# Altium PCB 电机驱动部分参考布局.PcbDoc (part 2 of 2)
Units mm, origin at the board's own origin, x right, y up, seen from the top; angles counter-clockwise.
Board outline 65.25 x 196.25 mm, 2 copper layers (Top Layer, Bottom Layer), stack 0.325 mm thick; 229 components, 145 nets, 646 pads, 366 vias.
Unrouted connection lines stored in the file: 1.
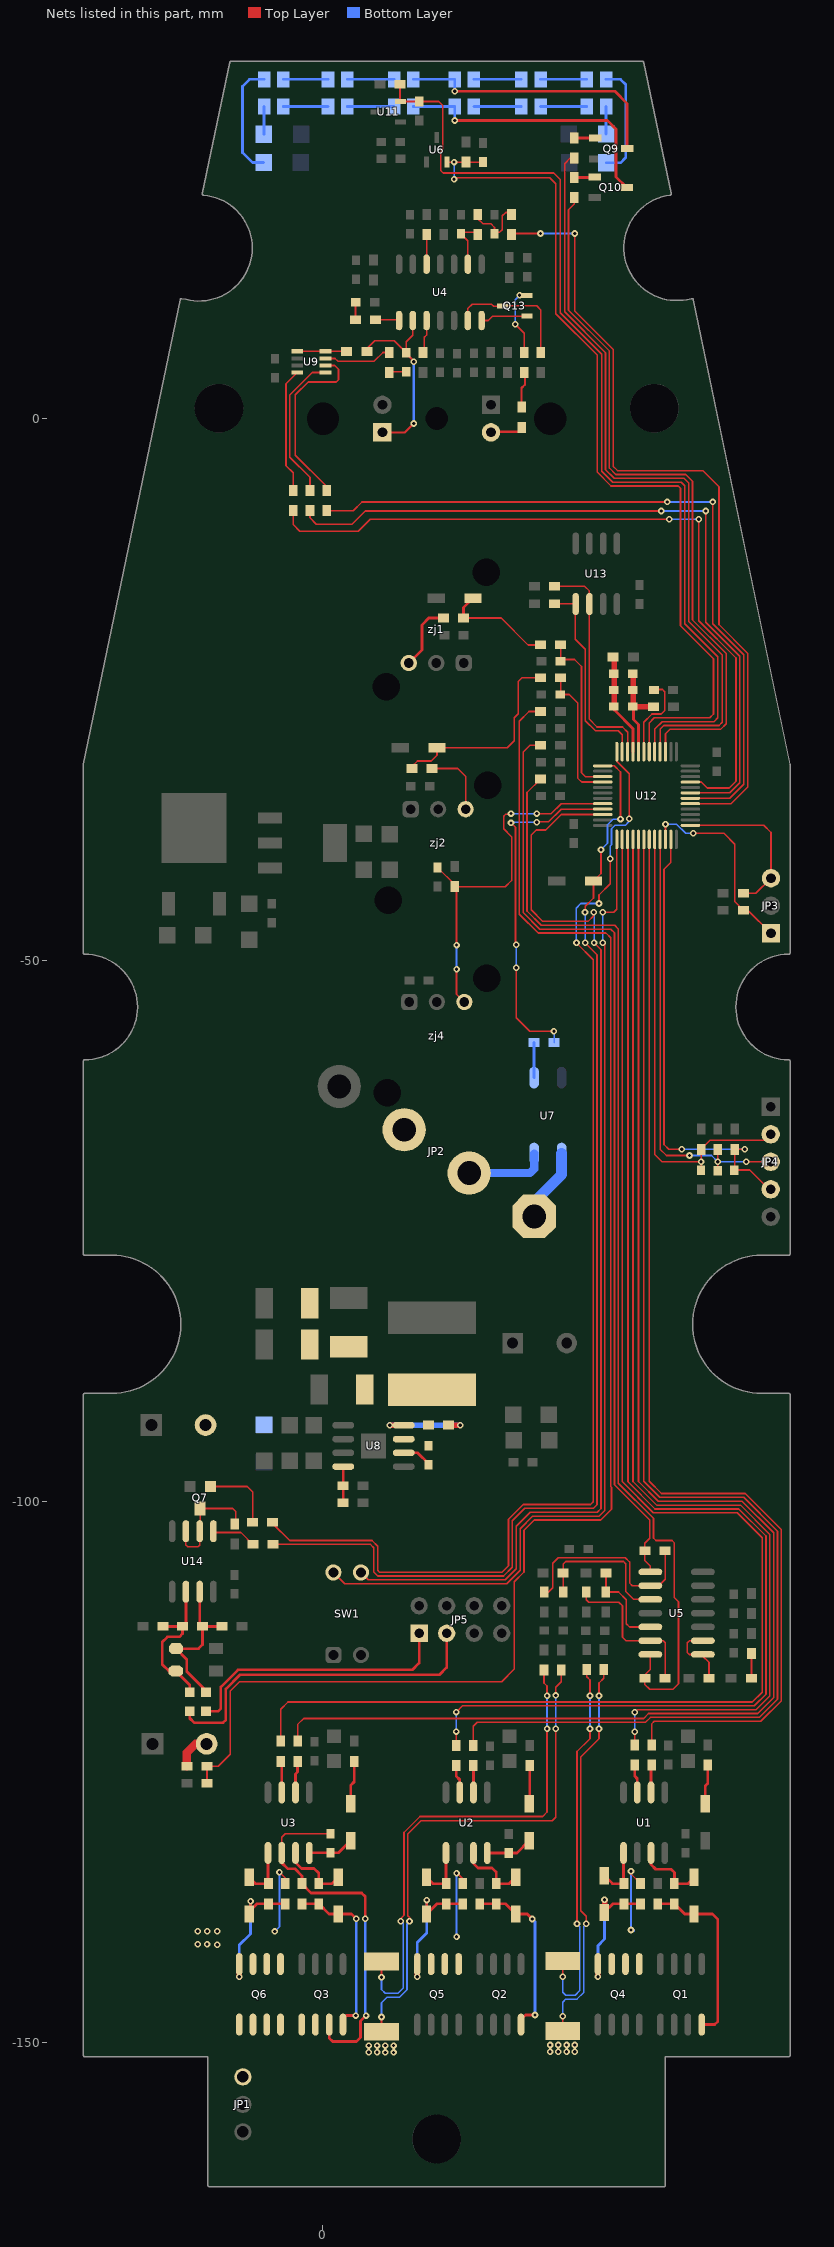
[diagram p2: the nets of this part, all layers, seen from the top]

## Via types
v1: diameter 0.61, hole 0.305, Top Layer to Bottom Layer, 366 vias

## Nets (pads, with @x,y where several pads share a name; then routed paths per layer and width w, separated by ;. In a path a pad name is that pad's centre, name@x,y a point inside that pad or via, vN(x,y) a via of type N, cw(c..) or ccw(c..) an arc to the next point about the centre after c; other vN are vias at no path point) (continued)
NetC24_2: C24.2 D23.2 U2.8 | length 4.3
  Top Layer w0.254: U2.8@15.165,-132.453 17.904,-132.453 D23.2@19.04,-131.317
NetC25_1: C25.1 JP1.1 Q3.1 Q3.2 Q3.3 Q6.5 Q6.6 Q6.7 Q6.8 R12.1 U3.6 | length 34.1
  Top Layer w0.152: U3.6@-3.808,-132.453 -3.808,-131.002 -3.49,-130.683 C25.1@0.701,-130.683
  Top Layer w0.254: U3.6@-3.808,-132.453 -3.808,-133.362 -3.261,-133.909 -2.612,-133.909 -1.94,-134.581 R12.1@-1.94,-135.293 -1.089,-136.144 3.572,-136.144 3.902,-136.475 v1(3.902,-138.532) ; Q3.3@0.573,-148.303 0.573,-149.529 0.905,-149.86 3.089,-149.86 3.47,-149.479 3.47,-147.981 v1(3.978,-147.473)
  Bottom Layer w0.254: v1(3.902,-138.532) 3.902,-147.473 v1(3.978,-147.473)
NetC25_2: C25.2 D32.2 U3.8 | length 4.3
  Top Layer w0.254: U3.8@-1.268,-132.453 -1.251,-132.436 C25.2@0.701,-132.436 1.436,-132.436 D32.2@2.556,-131.317
NetC26_1: C26.1 JP4.2 R38.2 U12.32 | length 42.6
  Top Layer w0.152: U12.32@30.628,-38.862 30.628,-67.951 31.308,-68.631 v1(34.915,-68.631) ; C26.1@34.915,-69.419 v1(34.915,-68.631) ; JP4.2@41.341,-66.091 40.808,-66.625 35.766,-66.625 R38.2@34.915,-67.475 v1(34.915,-68.631)
NetC27_1: C27.1 JP4.3 R39.2 U12.33 | length 41.2
  Top Layer w0.152: U12.33@31.128,-38.862 31.128,-67.461 31.715,-68.047 v1(33.848,-68.047) ; C27.1@36.465,-69.444 v1(36.465,-68.631) R39.2@36.465,-67.501 ; v1(39.081,-68.631) JP4.3@41.341,-68.631
  Bottom Layer w0.152: v1(33.848,-68.047) 35.88,-68.047 v1(36.465,-68.631) v1(39.081,-68.631)
NetC28_1: C28.1 R104.2 | length 1.6
  Top Layer w0.152: R104.2@3.001,9.118 3.001,10.707 C28.1@3.038,10.744
NetC29_1: C29.1 D28.1 R106.1 U4.2 | length 17.9
  Top Layer w0.152: R106.1@4.041,6.197 4.041,6.439 4.791,7.188 6.57,7.188 C29.1@7.686,6.071 7.686,7.086 8.296,7.696 U4.2@8.296,9.058
  Top Layer w0.203: D28.1@5.487,-1.27 7.569,-1.27 v1(8.383,-0.456) ; C29.1@7.686,6.071 7.686,6.008 8.379,5.315 v1(8.379,5.25)
  Bottom Layer w0.203: v1(8.379,5.25) 8.383,5.247 v1(8.383,-0.456)
NetC29_2: C29.2 R108.1 | length 1.6
  Top Layer w0.152: R108.1@6.112,4.254 6.176,4.319 C29.2@7.686,4.319
NetC31_1: C31.1 JP4.4 R40.2 U12.35 | length 43
  Top Layer w0.152: U12.35@32.128,-38.862 32.128,-40.963 31.484,-41.608 31.484,-67.029 31.918,-67.463 v1(33.137,-67.463) ; v1(38.941,-67.475) R40.2@38.014,-67.475 38.014,-69.393 39.411,-69.393 41.189,-71.171 JP4.4@41.341,-71.171
  Bottom Layer w0.152: v1(33.137,-67.463) 38.928,-67.463 v1(38.941,-67.475)
NetC37_2: C37.2 R28.2 R45.1 | length 6.1
  Top Layer w0.152: R45.1@14.29,19.062 R45.1@14.29,18.859 14.29,18.465 14.773,17.983 15.51,17.983 15.84,17.653 C37.2@15.84,17.195 ; C37.2@15.84,17.067 C37.2@15.84,17.195 ; R28.2@17.415,19.037 16.868,19.037 16.551,18.719 16.551,17.449 16.297,17.195 C37.2@15.84,17.195
NetC39_1: C39.1 U8.6 | length 2.8
  Top Layer w0.254: U8.6@7.458,-95.504 8.753,-95.504 9.744,-96.495 C39.1@9.744,-96.597
NetC39_2: C39.2 D8.2 L1.1 R62.2 U8.7
NetC40_2: C40.2 R45.2 U4.9 | length 4.6
  Top Layer w0.152: C40.2@12.741,17.067 13.376,16.432 U4.9@13.376,14.258 ; C40.2@12.741,17.221 14.278,17.221 R45.2@14.29,17.208
NetC57_1: C57.1 U12.7 | length 7.9
  Top Layer w0.152: U12.7@29.628,-30.762 29.628,-28.03 30.384,-27.274 31.239,-27.274 31.55,-26.962 31.55,-25.21 31.359,-25.019 C57.1@30.572,-25.019
NetC69_1: C69.1 R60.2 U12.15 | length 15.6
  Top Layer w0.152: R60.2@21.95,-20.701 21.95,-22.112 22.088,-22.251 23.231,-22.251 23.866,-22.886 23.866,-32.69 24.238,-33.062 U12.15@25.828,-33.062
NetC70_1: C70.1 R32.2 U12.16 | length 12.7
  Top Layer w0.152: R32.2@21.95,-23.927 21.95,-25.262 22.164,-25.477 22.749,-25.477 23.511,-26.239 23.511,-33.183 23.89,-33.562 U12.16@25.828,-33.562
NetC71_1: C71.1 R52.1 U12.20 zj4.3 | length 34.8
  Top Layer w0.152: C71.1@10.582,-41.453 12.182,-43.053 R52.1@12.182,-43.218 ; v1(12.335,-50.851) 12.335,-53.153 zj4.3@13.052,-53.87 ; v1(12.335,-48.616) 12.335,-43.371 R52.1@12.182,-43.218 ; v1(17.364,-36.475) 17.288,-36.551 16.856,-36.551 16.678,-36.729 16.678,-37.872 17.415,-38.608 17.415,-42.647 16.843,-43.218 R52.1@12.182,-43.218 ; v1(19.726,-36.475) 21.077,-36.475 21.99,-35.562 U12.20@25.828,-35.562
  Bottom Layer w0.152: v1(12.335,-50.851) v1(12.335,-48.616) ; v1(17.364,-36.475) v1(19.726,-36.475)
NetC87_1: C87.1 R54.2 U6.2 U12.6 | length 82.3
  Top Layer w0.152: U6.2@11.45,23.687 v1(12.106,23.687) 14.762,23.687 C87.1@14.773,23.698 ; v1(12.106,22.098) 12.106,22.25 20.945,22.25 21.504,21.691 21.504,9.677 25.314,5.867 25.314,-4.937 26.6,-6.223 32.807,-6.223 33.01,-6.427 33.01,-19.126 36.057,-22.173 36.057,-27.281 35.709,-27.629 30.604,-27.629 30.128,-28.104 U12.6@30.128,-30.762
  Bottom Layer w0.152: v1(12.106,22.098) v1(12.106,23.687)
NetC88_1: C88.1 R33.2 U11.2 U12.5 | length 90.9
  Top Layer w0.152: R33.2@7.115,30.861 7.115,29.308 U11.2@7.143,29.28 10.689,29.28 11.065,28.905 11.065,24.892 10.861,24.688 10.861,22.91 11.09,22.682 21.301,22.682 21.91,22.072 21.91,9.773 25.739,5.945 25.739,-4.859 26.748,-5.868 33.086,-5.868 33.417,-6.198 33.417,-18.957 36.464,-22.004 36.464,-27.637 36.115,-27.985 31.315,-27.985 30.628,-28.671 U12.5@30.628,-30.762
NetD1_1: D1.1 Q1.4 R7.2 R10.2 | length 17.2
  Top Layer w0.254: R10.2@30.902,-137.148 R7.2@32.451,-137.148 33.402,-138.098 D1.1@34.255,-138.098 35.955,-138.098 36.465,-138.608 36.465,-148.006 36.168,-148.303 Q1.4@34.966,-148.303
NetD1_2: D1.2 R7.1 U1.7 | length 6.6
  Top Layer w0.254: U1.7@30.292,-132.453 30.292,-133.528 30.724,-133.96 32.147,-133.96 32.451,-134.265 R7.1@32.451,-135.293 33.709,-135.293 34.255,-134.747 D1.2@34.255,-134.698
NetD2_1: D2.1 Q4.4 R15.2 R19.2 | length 13.3
  Top Layer w0.254: D2.1@26,-137.921 26.773,-137.148 R15.2@27.803,-137.148 R19.2@29.327,-137.148
  Top Layer w0.508: v1(25.39,-143.891) Q4.4@25.39,-142.715 Q4.4@25.392,-142.713 ; D2.1@26,-137.921 v1(26,-136.779)
  Bottom Layer w0.254: v1(25.39,-143.891) 25.39,-141.021 26,-140.412 v1(26,-136.779)
NetD2_2: D2.2 R15.1 U1.5 | length 5.1
  Top Layer w0.254: D2.2@25.974,-134.546 26.722,-135.293 R15.1@27.803,-135.293 27.752,-135.243 U1.5@27.752,-132.453
  Top Layer w0.508: D2.2@25.974,-134.546 D2.2@26.052,-134.546
NetD3_1: D3.1 Q2.4 R8.2 R11.2 | length 16.3
  Top Layer w0.254: R11.2@14.468,-137.148 R8.2@15.992,-137.148 16.845,-137.148 D3.1@17.796,-138.098 18.861,-138.098 v1(19.32,-138.557) ; Q2.4@18.289,-148.303 18.289,-147.843 18.71,-147.422 v1(19.574,-147.422)
  Bottom Layer w0.254: v1(19.32,-138.557) 19.574,-138.811 v1(19.574,-147.422)
NetD3_2: D3.2 R8.1 U2.7 | length 6.5
  Top Layer w0.254: U2.7@13.895,-132.453 13.895,-133.412 14.316,-133.833 15.611,-133.833 15.992,-134.214 R8.1@15.992,-135.293 17.2,-135.293 D3.2@17.796,-134.698
NetD4_1: D4.1 Q5.4 R16.2 R20.2 | length 13.7
  Top Layer w0.254: D4.1@9.566,-138.098 D4.1@9.591,-138.073 ; v1(9.591,-136.805) D4.1@9.591,-138.073 ; R20.2@12.919,-137.148 R16.2@11.369,-137.148 10.517,-137.148 D4.1@9.591,-138.073
  Top Layer w0.508: v1@8.702,-143.841 8.702,-143.87 8.713,-143.881 Q5.4@8.713,-142.715
  Bottom Layer w0.254: v1(8.702,-143.891) 8.702,-140.716 9.591,-139.827 v1(9.591,-136.805)
NetD4_2: D4.2 R16.1 U2.5 | length 4.9
  Top Layer w0.254: D4.2@9.566,-134.698 10.161,-135.293 R16.1@11.369,-135.293 11.355,-135.279 U2.5@11.355,-132.453
NetD5_1: D5.1 Q3.4 R9.2 R12.2 | length 16.4
  Top Layer w0.254: R12.2@-1.94,-137.148 R9.2@-0.391,-137.148 0.56,-138.098 D5.1@1.413,-138.098 2.63,-138.098 v1(3.064,-138.532) ; Q3.4@1.843,-148.303 1.843,-147.779 2.149,-147.473 v1(3.038,-147.473)
  Bottom Layer w0.254: v1(3.038,-147.473) 3.064,-147.473 v1(3.064,-138.532)
NetD5_2: D5.2 R9.1 U3.7 | length 6.9
  Top Layer w0.254: U3.7@-2.538,-132.453 -2.538,-133.337 -1.991,-133.884 -0.823,-133.884 -0.391,-134.316 R9.1@-0.391,-135.293 0.817,-135.293 D5.2@1.413,-134.698
  Top Layer w0.508: U3.7@-2.538,-132.453 U3.7@-2.538,-132.047
NetD6_A: D6.A R56.1 | length 3.6
  Bottom Layer w0.254: R56.1@-5.458,26.263 -5.458,28.812 D6.A@-5.44,28.83 -5.44,27.807
NetD6_K: D6.K D19.A | length 4.1
  Bottom Layer w0.254: D6.K@-3.66,28.83 D19.A@0.46,28.83
NetD7_1: D7.1 D29.1 F1.2
NetD9_1: D9.1 R42.2 U12.13 | length 109.7
  Top Layer w0.152: R42.2@-4.62,-103.963 4.384,-103.963 4.689,-104.267 4.689,-106.503 5.07,-106.884 16.673,-106.884 17.491,-106.066 17.491,-101.773 18.629,-100.635 24.984,-100.635 25.31,-100.309 25.31,-49.514 24.222,-48.426 v1(24.222,-48.413) v1@24.222,-48.179 ; v1(24.196,-45.593) 24.222,-45.568 24.222,-45.035 24.982,-44.274 D9.1@24.982,-42.698 25.67,-42.01 v1(25.67,-39.828) ; U12.13@25.828,-32.062 26.896,-32.062 27.473,-32.639 v1(27.473,-36.983)
  Bottom Layer w0.152: v1(24.196,-45.593) 24.222,-45.619 v1(24.222,-48.413) ; v1(25.67,-39.828) 26.279,-39.218 26.279,-37.516 26.813,-36.983 v1(27.473,-36.983)
NetD10_2: D10.2 F2.1 R48.1 R75.2 U14.7 | length 14.6
  Top Layer w0.254: U14.7@-11.389,-108.331 -11.389,-111.265 R48.1@-11.122,-111.532 ; F2.1@-10.805,-117.602 -10.805,-117.475 -12.583,-115.697 -12.583,-114.576 D10.2@-13.569,-113.589 -11.491,-113.589 -11.122,-113.221 R48.1@-11.122,-111.532 ; R75.2@-9.319,-111.532 R48.1@-11.122,-111.532
NetD11_2: D11.2 F3.1 R48.2 R82.1 U14.6 | length 14
  Top Layer w0.254: R82.1@-14.78,-111.532 R48.2@-12.977,-111.532 ; U14.6@-12.659,-108.331 -12.659,-111.214 R48.2@-12.977,-111.532 ; F3.1@-12.303,-117.602 -12.303,-116.938 D11.2@-13.595,-115.647 -14.234,-115.647 -14.843,-115.037 -14.843,-112.98 -14.361,-112.497 -13.269,-112.497 -12.977,-112.205 R48.2@-12.977,-111.532
NetD12_A: D12.A D34.K | length 4.3
  Bottom Layer w0.254: D34.K@2.24,31.33 D12.A@6.56,31.33 D12.A@6.547,31.343
NetD12_K: D12.K D13.K Q9.3 | length 25.5
  Top Layer w0.254: v1(12.16,30.229) 26.962,30.229 28.084,29.106 Q9.3@28.084,24.942
  Bottom Layer w0.254: D12.K@8.34,31.33 D13.K@12.16,31.33 v1(12.16,30.229)
NetD13_A: D13.A D15.K | length 4.4
  Bottom Layer w0.254: D13.A@13.94,31.33 D15.K@18.31,31.33
NetD14_A: D14.A D19.K | length 4.3
  Bottom Layer w0.254: D19.K@2.24,28.83 D14.A@6.56,28.83
NetD14_K: D14.K D20.K Q10.3 | length 26.1
  Top Layer w0.254: v1(12.16,27.53) 26.257,27.53 27.067,26.72 27.067,22.328 Q10.3@28.034,21.361
  Bottom Layer w0.254: D14.K@8.34,28.83 D20.K@12.16,28.83 v1(12.16,27.53)
NetD15_A: D15.A D16.K | length 4.3
  Bottom Layer w0.254: D15.A@20.09,31.33 D16.K@24.36,31.33
NetD16_A: D16.A R70.2 | length 10.8
  Bottom Layer w0.254: D16.A@26.14,31.33 27.486,31.33 27.956,30.861 27.956,24.104 27.473,23.622 R70.2@26.165,23.622
NetD17_A: D17.A R72.2 | length 2.5
  Bottom Layer w0.254: R72.2@26.139,26.289 D17.A@26.139,28.829
NetD17_K: D17.K D21.A | length 4.3
  Bottom Layer w0.254: D21.A@20.09,28.83 D17.K@24.36,28.83
NetD18_1: D18.1 R1.2 | length 4
  Top Layer w0.254: D18.1@35.525,-127.688 D18.1@35.296,-127.917 35.296,-126.264 35.525,-126.035 R1.2@35.525,-124.322
NetD20_A: D20.A D21.K | length 4.4
  Bottom Layer w0.254: D20.A@13.94,28.83 D21.K@18.31,28.83
NetD22_1: D22.1 Q6.4 R17.2 R21.2 | length 13.4
  Top Layer w0.254: D22.1@-6.817,-138.098 -6.69,-137.971 D22.1@-6.69,-137.745 ; v1(-6.69,-136.906) D22.1@-6.69,-137.745 ; R21.2@-3.49,-137.148 R17.2@-5.039,-137.148 -6.093,-137.148 D22.1@-6.69,-137.745
  Top Layer w0.508: Q6.4@-7.733,-142.715 -7.733,-143.915 -7.731,-143.913 v1(-7.731,-143.891) v1@-7.731,-143.866
  Bottom Layer w0.254: v1(-7.731,-143.891) -7.731,-140.97 -6.69,-139.929 v1(-6.69,-136.906)
NetD22_2: D22.2 R17.1 U3.5 | length 4.9
  Top Layer w0.254: D22.2@-6.817,-134.698 -6.222,-135.293 R17.1@-5.039,-135.293 -5.078,-135.255 U3.5@-5.078,-132.453
NetD23_1: D23.1 R13.2 | length 3.5
  Top Layer w0.254: D23.1@19.04,-127.917 19.091,-127.866 R13.2@19.091,-124.396
NetD24_1: D24.1 R46.1 R60.1 | length 10.4
  Top Layer w0.152: R46.1@12.982,-18.415 16.449,-18.415 18.939,-20.905 19.892,-20.905 R60.1@20.095,-20.701
  Top Layer w0.254: R46.1@12.982,-18.415 12.982,-17.461 D24.1@13.857,-16.587
NetD25_1: D25.1 R29.1 R32.1 | length 18.9
  Top Layer w0.152: R29.1@8.207,-32.309 8.207,-32.144 8.728,-31.623 9.998,-31.623 10.529,-31.092 D25.1@10.529,-30.404 17.008,-30.404 17.669,-29.744 17.669,-27.615 18.024,-27.26 18.024,-24.283 18.38,-23.927 R32.1@20.095,-23.927
NetD27_2: 
NetD32_1: D32.1 R22.2 | length 4.1
  Top Layer w0.254: D32.1@2.556,-127.917 2.556,-126.213 2.886,-125.883 R22.2@2.886,-123.989
NetD33_A: D33.A R69.1 | length 10.7
  Bottom Layer w0.254: R69.1@-5.484,23.647 -6.512,23.647 -7.427,24.561 -7.427,30.683 -6.779,31.33 D33.A@-5.44,31.33
NetD33_K: D33.K D34.A | length 4.1
  Bottom Layer w0.254: D33.K@-3.66,31.33 D34.A@0.46,31.33
NetF2_2: F2.2 JP5.1 | length 25.4
  Top Layer w0.254: F2.2@-10.805,-119.38 -9.713,-119.38 -9.433,-119.101 -9.433,-117.134 -7.845,-115.545 8.245,-115.545 8.88,-114.91 JP5.1@8.88,-112.17
NetF3_2: F3.2 JP5.3 | length 31.5
  Top Layer w0.254: F3.2@-12.303,-119.38 -12.303,-120.015 -11.897,-120.422 -9.23,-120.422 -8.976,-120.168 -8.976,-117.323 -7.655,-116.002 10.76,-116.002 11.42,-115.342 JP5.3@11.42,-112.17
NetJP2_1: JP2.1 U7.3 | length 6.9
  Bottom Layer w1.016: JP2.1@19.5,-73.67 19.5,-72.362 22.037,-69.825 U7.3@22.037,-67.864
NetJP2_2: JP2.2 U7.4 | length 8.4
  Top Layer w0.508: JP2.2@13.5,-69.67 JP2.2@14.293,-69.67
  Bottom Layer w0.762: JP2.2@13.5,-69.67 19.119,-69.67 19.497,-69.292 U7.4@19.497,-67.864
NetJP3_1: JP3.1 R83.1 U12.34 | length 18.4
  Top Layer w0.152: U12.34@31.628,-38.862 v1(31.628,-37.455) ; v1(34.179,-38.304) 37.023,-38.304 38.014,-39.294 38.014,-44.59 R83.1@38.814,-45.39 39.233,-45.39 JP3.1@41.367,-47.524
  Bottom Layer w0.152: v1(31.628,-37.455) 32.644,-37.455 33.493,-38.304 v1(34.179,-38.304)
NetJP3_3: JP3.3 R80.1 U12.37 | length 15.1
  Top Layer w0.152: U12.37@33.928,-37.562 40.701,-37.562 41.367,-38.227 JP3.3@41.367,-42.444 39.97,-43.841 R80.1@38.814,-43.841
NetQ4_1: Q4.1 Q4.2 Q4.3 R19.1 R37.1 R100.2 | length 42.4
  Top Layer w0.152: v1(22.139,-143.891) R100.2@22.139,-142.429 ; v1(23.46,-138.989) 23.46,-123.089 24.654,-121.895 v1(24.654,-120.981) v1@24.577,-121.057 ; R37.1@24.349,-115.52 24.349,-116.18 24.654,-116.485 v1(24.654,-117.933) ; v1(28.438,-134.138) 28.438,-134.404 R19.1@29.327,-135.293
  Bottom Layer w0.152: v1@22.19,-143.942 v1(22.139,-143.891) 22.139,-145.314 22.418,-145.593 23.282,-145.593 23.714,-145.161 23.714,-139.243 v1(23.46,-138.989) ; v1(24.654,-120.981) v1(24.654,-117.933) v1@24.679,-117.958 ; v1(28.438,-139.573) v1(28.438,-134.138) ; v1@28.718,-139.675 v1@28.718,-139.573
NetQ5_1: Q5.1 Q5.2 Q5.3 R20.1 R30.1 R101.2 | length 54.3
  Top Layer w0.152: v1(5.4,-143.942) R101.2@5.4,-142.48 ; v1(7.178,-138.761) 7.178,-138.507 7.483,-138.202 7.483,-130.562 8.962,-129.083 20.285,-129.083 20.691,-128.677 v1(20.691,-120.981) 20.691,-120.879 v1@20.767,-120.803 ; v1(12.335,-134.316) 12.385,-134.316 12.919,-134.849 R20.1@12.919,-135.293 ; R30.1@20.412,-115.558 20.412,-116.764 20.691,-117.044 v1(20.691,-117.933) v1@20.691,-118.085
  Bottom Layer w0.152: v1(5.4,-143.942) 5.4,-145.06 5.756,-145.415 6.924,-145.415 7.407,-144.933 7.407,-138.989 v1(7.178,-138.761) ; v1(12.335,-140.183) v1(12.335,-134.316) ; v1(20.691,-120.981) v1(20.691,-117.933)
  Bottom Layer w0.254: v1(5.4,-143.942) v1@5.451,-143.993
NetQ7_1: Q7.1 R43.1 | length 6.9
  Top Layer w0.152: Q7.1@-10.503,-98.543 Q7.1@-10.487,-98.527 ; Q7.1@-10.395,-98.619 -7.004,-98.619 -6.5,-99.124 R43.1@-6.5,-101.931
NetQ7_3: Q7.3 R76.2 U14.2 U14.3 | length 10.6
  Top Layer w0.152: U14.3@-12.659,-102.743 -12.659,-104.013 -12.481,-104.191 -11.541,-104.191 -11.389,-104.039 U14.2@-11.389,-102.743 -11.335,-102.69 Q7.3@-11.335,-100.651 -8.341,-100.651 -8.062,-100.931 R76.2@-8.062,-102.07
NetQ9_1: Q9.1 R85.1 | length 1.9
  Top Layer w0.254: R85.1@23.206,25.92 25.107,25.92 Q9.1@25.134,25.892
NetQ10_1: Q10.1 R86.1 | length 1.9
  Top Layer w0.254: R86.1@23.206,22.263 25.035,22.263 Q10.1@25.084,22.311
NetQ13_1: Q13.1 U4.7 | length 4.4
  Top Layer w0.152: U4.7@14.646,9.058 15.246,9.058 15.652,9.464 Q13.1@18.837,9.464
NetQ13_2: Q13.2 R55.2 | length 6.7
  Top Layer w0.152: v1(17.745,8.712) 18.583,7.874 R55.2@18.583,6.108 ; v1(18.151,11.379) 19.015,11.379 Q13.2@19.03,11.364
  Bottom Layer w0.152: v1(17.745,8.712) 17.745,10.972 v1(18.151,11.379)
NetQ13_3: Q13.3 R91.2 U4.6 | length 12.2
  Top Layer w0.152: U4.6@13.376,9.058 13.376,10.16 13.782,10.566 15.56,10.566 15.764,10.363 16.518,10.363 Q13.3@16.569,10.414 19.726,10.414 20.107,10.033 R91.2@20.107,6.108
NetR2_1: R2.1 R3.1 R5.1 | length 141.4
  Top Layer w0.152: R2.1@-10.716,-126.01 R5.1@-10.716,-124.46 -9.687,-124.46 -8.57,-123.343 -8.57,-117.491 -7.715,-116.637 16.5,-116.637 17.669,-115.469 17.669,-107.397 18.558,-106.508 18.558,-102.662 19.518,-101.702 25.644,-101.702 26.635,-100.711 26.635,-98.674 26.562,-98.601 26.562,-47.933 26.127,-47.498 19.863,-47.498 18.126,-45.761 18.126,-27.94 19.015,-27.051 R3.1@20.095,-27.051
NetR4_1: R4.1 U12.31 | length 103.9
  Top Layer w0.152: U12.31@30.128,-38.862 30.128,-98.139 31.252,-99.264 38.994,-99.264 42.332,-102.601 42.332,-118.395 40.432,-120.295 30.597,-120.295 30.343,-120.549 R4.1@30.343,-122.465
NetR4_2: R4.2 U1.2 | length 2.6
  Top Layer w0.254: U1.2@30.292,-126.865 30.292,-124.37 R4.2@30.343,-124.32
NetR6_1: R6.1 U12.28 | length 105
  Top Layer w0.152: U12.28@28.628,-38.862 28.628,-98.153 30.805,-100.33 38.552,-100.33 41.265,-103.043 41.265,-117.953 39.99,-119.228 29.022,-119.228 v1(28.794,-119.457) ; R6.1@28.794,-122.465 v1(28.794,-121.26)
  Bottom Layer w0.152: v1(28.794,-121.26) v1(28.794,-119.457)
NetR6_2: R6.2 U1.3 | length 2.6
  Top Layer w0.254: R6.2@28.794,-124.32 28.794,-125.375 29.022,-125.603 U1.3@29.022,-126.865
NetR14_1: R14.1 U12.30 | length 120
  Top Layer w0.152: R14.1@13.871,-122.542 13.871,-120.765 14.24,-120.396 29.784,-120.396 30.242,-119.939 40.285,-119.939 41.976,-118.247 41.976,-102.749 38.847,-99.619 31.105,-99.619 29.628,-98.142 U12.30@29.628,-38.862
NetR14_2: R14.2 U2.2 | length 2.5
  Top Layer w0.254: R14.2@13.871,-124.396 13.895,-124.42 U2.2@13.895,-126.865
NetR18_1: R18.1 U12.27 | length 121.2
  Top Layer w0.152: R18.1@12.03,-122.503 R18.1@12.068,-122.542 ; R18.1@12.296,-122.542 v1(12.296,-121.247) ; v1@12.296,-119.457 12.881,-118.872 39.838,-118.872 40.91,-117.8 40.91,-103.191 38.405,-100.686 30.658,-100.686 28.159,-98.187 28.159,-38.893 U12.27@28.128,-38.862
  Bottom Layer w0.152: v1(12.296,-121.247) v1(12.296,-119.444)
NetR18_2: R18.2 U2.3 | length 2.6
  Top Layer w0.254: R18.2@12.296,-124.396 12.296,-125.362 12.625,-125.691 U2.3@12.625,-126.865
NetR23_1: R23.1 R36.2 U5.13 | length 14.6
  Top Layer w0.152: R36.2@24.323,-108.357 24.323,-109.068 24.552,-109.297 27.321,-109.297 27.651,-109.627 27.651,-112.522 27.981,-112.853 U5.13@30.23,-112.853 31.41,-112.853 31.609,-113.052 31.609,-116.273 R23.1@31.575,-116.307
NetR23_2: R23.2 R34.2 U5.14 | length 101.2
  Top Layer w0.152: R34.2@20.095,-33.274 18.837,-34.533 18.837,-45.466 20.158,-46.787 26.929,-46.787 27.273,-47.131 27.273,-98.306 30.521,-101.555 30.521,-103.378 30.75,-103.607 32.223,-103.607 32.451,-103.836 32.451,-108.885 32.832,-109.266 32.832,-116.84 32.324,-117.348 30.165,-117.348 29.721,-116.904 R23.2@29.721,-116.307 29.721,-116.015 30.23,-115.506 U5.14@30.23,-114.123
NetR24_1: R24.1 R31.2 U5.9 | length 18.9
  Top Layer w0.152: R31.2@20.437,-108.369 20.805,-108.369 21.225,-107.95 21.225,-105.69 21.733,-105.182 27.905,-105.182 28.311,-105.588 28.311,-107.519 28.565,-107.773 U5.9@30.23,-107.773 31.004,-107.773 31.609,-107.167 31.609,-104.581 R24.1@31.575,-104.547
NetR24_2: R24.2 R44.2 U5.8 | length 86.7
  Top Layer w0.152: R44.2@20.095,-30.15 19.116,-30.15 18.481,-30.785 18.481,-45.614 20.011,-47.143 26.584,-47.143 26.917,-47.476 26.917,-98.454 30.165,-101.702 30.165,-103.404 29.721,-103.848 R24.2@29.721,-104.547 29.721,-105.448 30.23,-105.957 U5.8@30.23,-106.503
NetR25_2: R25.2 R95.2 U5.12 | length 8.5
  Top Layer w0.152: R95.2@26.139,-106.604 26.139,-108.319 R25.2@26.101,-108.357 27.295,-108.357 28.006,-109.068 28.006,-111.278 28.311,-111.583 U5.12@30.23,-111.583
NetR26_1: R26.1 U12.29 | length 135.5
  Top Layer w0.152: R26.1@-2.347,-122.135 -2.347,-120.6 -1.788,-120.041 29.607,-120.041 30.064,-119.584 40.137,-119.584 41.621,-118.1 41.621,-102.896 38.7,-99.975 30.953,-99.975 29.128,-98.15 U12.29@29.128,-38.862
NetR26_2: R26.2 U3.2 | length 3
  Top Layer w0.254: U3.2@-2.538,-126.865 -2.538,-125.16 -2.347,-124.968 R26.2@-2.347,-123.989
NetR27_1: R27.1 U12.26 | length 136.7
  Top Layer w0.152: R27.1@-3.896,-122.135 -3.896,-119.177 -3.236,-118.517 39.64,-118.517 40.554,-117.602 40.554,-103.338 38.258,-101.042 30.511,-101.042 27.628,-98.159 U12.26@27.628,-38.862
NetR27_2: R27.2 U3.3 | length 2.9
  Top Layer w0.254: R27.2@-3.896,-123.989 -3.808,-124.078 U3.3@-3.808,-126.865
NetR28_1: R28.1 U12.41 | length 74.3
  Top Layer w0.152: R28.1@17.415,17.005 17.516,17.107 17.529,17.094 v1(20.082,17.094) ; v1@23.028,17.094 23.257,16.865 23.257,9.936 26.806,6.387 26.806,-4.417 27.19,-4.801 35.068,-4.801 36.566,-6.3 36.566,-19.018 39.208,-21.659 39.208,-34.036 37.682,-35.562 U12.41@33.928,-35.562
  Bottom Layer w0.152: v1(20.082,17.094) v1(23.257,17.094) v1@23.244,17.107
NetR29_2: R29.2 zj2.3 | length 6.6
  Top Layer w0.152: R29.2@10.061,-32.309 12.436,-32.309 13.173,-33.046 zj2.3@13.173,-36.07 zj2.3@13.274,-35.968
NetR41_2: R41.2 U5.1 U5.2 | length 6.3
  Top Layer w0.152: U5.2@35.08,-112.853 33.848,-112.853 33.645,-113.056 33.645,-113.945 33.823,-114.123 U5.1@35.08,-114.123 35.08,-114.287 35.639,-114.846 R41.2@35.639,-116.307
NetR42_1: R42.1 U14.1 | length 4.2
  Top Layer w0.152: U14.1@-10.119,-102.743 -10.119,-102.858 -7.579,-102.858 R42.1@-6.474,-103.963
NetR43_2: R43.2 U12.12 | length 112.4
  Top Layer w0.152: R43.2@-4.645,-101.931 -4.645,-102.045 -3.083,-103.607 4.532,-103.607 5.045,-104.12 5.045,-106.355 5.217,-106.528 16.526,-106.528 17.135,-105.919 17.135,-101.626 18.481,-100.28 24.704,-100.28 24.954,-100.03 24.954,-49.971 23.409,-48.426 v1(23.409,-48.413) ; v1@23.409,-48.641 v1@23.409,-48.489 ; v1(25.492,-44.781) 25.492,-43.993 26.533,-42.952 v1(26.533,-40.64) v1@26.66,-40.64 ; U12.12@27.128,-30.762 27.128,-31.639 28.286,-32.797 v1(28.286,-36.957)
  Bottom Layer w0.152: v1(23.409,-48.413) 23.384,-48.387 23.384,-45.212 23.815,-44.781 v1(25.492,-44.781) ; v1(26.533,-40.64) 26.533,-39.467 26.635,-39.365 26.635,-37.872 26.965,-37.542 27.206,-37.542 27.231,-37.567 27.905,-37.567 28.286,-37.186 v1(28.286,-36.957)
NetR46_2: R46.2 zj1.3 | length 6.3
  Top Layer w0.254: zj1.3@7.915,-22.565 zj1.3@7.92,-22.57 9.134,-21.356 9.134,-19.05 9.769,-18.415 R46.2@11.128,-18.415
NetR47_1: R47.1 R64.2 U8.4 | length 3.3
  Top Layer w0.254: R47.1@1.857,-100.102 1.87,-100.089 U8.4@1.87,-96.774
NetR49_2: R49.2 R96.2 U5.10 | length 13.7
  Top Layer w0.152: R49.2@22.19,-108.369 22.177,-108.357 R96.2@22.177,-106.604 22.177,-105.779 22.418,-105.537 27.758,-105.537 27.956,-105.735 27.956,-108.306 28.692,-109.043 U5.10@30.23,-109.043
NetR57_2: R57.2 R97.1 | length 2.3
  Top Layer w0.152: R57.2@39.551,-116.307 39.563,-116.294 R97.1@39.563,-114.034
NetR58_1: R58.1 U9.4 | length 11.6
  Top Layer w0.152: R58.1@-2.753,-6.642 -2.753,-5.004 -3.413,-4.344 -3.413,3.22 U9.4@-2.377,4.257
NetR58_2: R58.2 U12.45 | length 69.9
  Top Layer w0.152: R58.2@-2.753,-8.497 -2.753,-9.779 -2.143,-10.389 3.267,-10.389 4.359,-9.297 v1(31.969,-9.297) v1@32.147,-9.297 ; U12.45@33.928,-33.562 34.923,-33.562 35.474,-34.113 37.506,-34.113 38.141,-33.478 38.141,-22.101 34.712,-18.672 v1(34.712,-9.297)
  Bottom Layer w0.152: v1(31.969,-9.297) v1(34.712,-9.297)
NetR59_1: R59.1 U9.5 | length 13.7
  Top Layer w0.152: R59.1@-1.204,-6.642 -1.204,-5.411 -3.058,-3.556 -3.058,2.184 -0.985,4.257 U9.5@0.223,4.257
NetR59_2: R59.2 U12.43 | length 69.4
  Top Layer w0.152: R59.2@-1.204,-8.497 -1.204,-9.17 -0.619,-9.754 2.683,-9.754 3.902,-8.535 v1(31.232,-8.535) v1@31.181,-8.484 ; U12.43@33.928,-34.562 37.559,-34.562 38.497,-33.625 38.497,-21.954 35.347,-18.804 v1(35.347,-8.535)
  Bottom Layer w0.152: v1(31.232,-8.535) v1(35.347,-8.535) v1@35.372,-8.509
NetR61_1: R61.1 U7.1 | length 3.3
  Bottom Layer w0.254: R61.1@19.485,-57.608 19.485,-60.851 U7.1@19.497,-60.864
NetR61_2: R61.2 U12.21 | length 32.2
  Top Layer w0.152: v1(17.364,-37.338) 17.77,-37.745 17.77,-48.514 v1(17.846,-48.591) ; v1(17.846,-50.724) 17.846,-55.322 19.091,-56.566 v1(21.326,-56.566) ; v1(19.726,-37.288) 19.777,-37.237 20.818,-37.237 21.993,-36.062 U12.21@25.828,-36.062
  Bottom Layer w0.152: v1(17.364,-37.338) 17.415,-37.288 v1(19.726,-37.288) ; v1(17.846,-50.724) v1(17.846,-48.591) ; v1(21.326,-56.566) 21.339,-56.579 R61.2@21.339,-57.608
NetR62_1: R62.1 U8.8 | length 8.9
  Top Layer w0.508: v1(6.162,-92.964) U8.8@7.458,-92.964 ; R62.1@11.585,-92.939 11.611,-92.964 v1(12.665,-92.964)
  Bottom Layer w0.508: v1(6.162,-92.964) v1(12.665,-92.964)
NetR65_1: R65.1 U9.6 | length 16.9
  Top Layer w0.152: U9.6@0.223,4.907 1.077,4.907 1.438,4.546 1.438,3.581 1.235,3.378 -1.361,3.378 -2.55,2.189 -2.55,-3.379 0.346,-6.274 R65.1@0.346,-6.642
NetR65_2: R65.2 U12.42 | length 68.7
  Top Layer w0.152: R65.2@0.346,-8.497 2.797,-8.497 3.597,-7.697 v1(31.791,-7.697) ; U12.42@33.928,-35.062 37.562,-35.062 38.852,-33.772 38.852,-21.807 35.982,-18.936 v1(35.982,-7.697)
  Bottom Layer w0.152: v1(31.791,-7.697) v1(35.982,-7.697)
NetR73_2: R73.2 U12.10 U13.6 | length 21.1
  Top Layer w0.152: R73.2@21.39,-15.469 24.146,-15.469 24.603,-15.926 U13.6@24.603,-17.12 24.603,-27.773 25.304,-28.474 27.651,-28.474 28.128,-28.951 U12.10@28.128,-30.762
NetR85_2: R85.2 U12.4 | length 70.6
  Top Layer w0.152: R85.2@23.206,24.066 22.837,24.066 22.317,23.545 22.317,9.87 26.094,6.092 26.094,-4.712 26.895,-5.512 33.34,-5.512 33.772,-5.944 33.772,-18.738 36.87,-21.836 36.87,-28.043 36.566,-28.347 31.461,-28.347 31.128,-28.679 U12.4@31.128,-30.762
NetR86_2: R86.2 U12.3 | length 66.3
  Top Layer w0.152: R86.2@23.206,20.409 23.206,19.812 22.672,19.278 22.672,10.017 26.45,6.24 26.45,-4.564 27.042,-5.157 33.488,-5.157 34.128,-5.797 34.128,-18.591 37.226,-21.689 37.226,-28.19 36.713,-28.702 32.02,-28.702 31.628,-29.094 U12.3@31.628,-30.762
NetR92_1: R92.1 U4.12 | length 2.8
  Top Layer w0.152: U4.12@9.566,14.258 9.591,14.284 R92.1@9.591,17.005
NetR94_2: R94.2 U12.11 U13.5 | length 18.7
  Top Layer w0.152: R94.2@21.364,-17.095 23.307,-17.095 U13.5@23.333,-17.12 23.307,-17.145 23.307,-20.371 24.222,-21.286 24.222,-27.895 25.156,-28.829 27.27,-28.829 27.628,-29.188 U12.11@27.628,-30.762
NetR104_1: R104.1 U4.1 | length 2.2
  Top Layer w0.152: R104.1@4.855,9.118 6.966,9.118 U4.1@7.026,9.058
NetR106_2: R106.2 U9.1 U9.8 | length 4.6
  Top Layer w0.152: U9.1@-2.377,6.207 U9.8@0.223,6.207 2.177,6.207 R106.2@2.187,6.197
NetR107_2: R107.2 U4.3 | length 3
  Top Layer w0.152: R107.2@9.363,6.108 9.363,7.518 9.566,7.721 U4.3@9.566,9.058
NetR108_2: R108.2 U9.7 | length 6.3
  Top Layer w0.152: U9.7@0.223,5.557 1.113,5.557 1.387,5.283 4.715,5.283 5.54,6.108 R108.2@6.112,6.108
NetSW1_3: SW1.3 U12.22 | length 104.7
  Top Layer w0.152: SW1.3@4.159,-106.55 SW1.3@3.5,-106.55 4.189,-107.239 16.82,-107.239 17.846,-106.213 17.846,-102.286 19.142,-100.991 25.314,-100.991 25.665,-100.64 25.665,-49.057 25.035,-48.426 v1(25.035,-48.413) ; v1(25.009,-45.593) 25.009,-45.898 24.476,-46.432 20.305,-46.432 19.218,-45.345 19.218,-38.456 19.68,-37.994 20.564,-37.994 21.996,-36.562 U12.22@25.828,-36.562
  Bottom Layer w0.152: v1(25.009,-45.593) 25.035,-45.619 v1(25.035,-48.413) ; v1@25.035,-48.641 v1@25.035,-48.483
NetSW1_4: SW1.4 U12.25 | length 93.8
  Top Layer w0.152: SW1.4@0.96,-106.55 2.005,-107.595 16.968,-107.595 18.202,-106.36 18.202,-102.515 19.37,-101.346 25.497,-101.346 26.021,-100.823 26.021,-48.586 v1(25.847,-48.413) ; v1(25.822,-45.593) 26.838,-45.593 27.128,-45.303 U12.25@27.128,-38.862 ; v1@25.822,-45.39 v1@25.847,-45.365
  Bottom Layer w0.152: v1(25.822,-45.593) 25.822,-48.387 v1(25.847,-48.413)
PGND: C33.2 C34.2 JP2.3 Q6.1 Q6.2 Q6.3 R5.2 R21.1 R35.1 R51.1 R63.1 R100.1 R101.1 | length 94.8
  Top Layer w0.152: v1(-4.023,-134.239) -3.49,-134.773 R21.1@-3.49,-135.293 ; R101.1@5.4,-148.96 v1(5.4,-147.6) ; v1(7.991,-138.761) 7.991,-138.405 7.839,-138.253 7.839,-130.709 9.058,-129.49 21.174,-129.49 21.504,-129.159 v1(21.504,-120.981) ; v1@21.428,-120.955 v1@21.479,-120.955 ; v1(21.504,-117.907) 21.504,-117.145 22.012,-116.637 R51.1@22.012,-115.558 ; R100.1@22.139,-148.909 v1(22.139,-147.524) ; v1(24.323,-138.989) 24.323,-138.303 23.815,-137.795 23.815,-123.597 25.492,-121.92 v1(25.492,-120.981) 25.517,-120.981 v1@25.593,-120.904 ; v1(25.492,-117.933) 25.492,-116.764 25.924,-116.332 R35.1@25.924,-115.52
  Top Layer w0.762: R5.2@-12.57,-124.46 -12.57,-123.178 -11.77,-122.378 C34.2@-10.743,-122.378
  Bottom Layer w0.152: v1(-4.455,-139.7) -4.023,-139.269 v1(-4.023,-134.239) ; v1(5.4,-147.6) 5.4,-146.279 5.908,-145.771 7.072,-145.771 7.763,-145.08 7.763,-138.989 v1(7.991,-138.761) ; v1(21.504,-120.981) v1(21.504,-117.907) ; v1@22.164,-147.498 v1(22.139,-147.524) 22.139,-146.228 22.418,-145.949 23.46,-145.949 24.069,-145.339 24.069,-139.243 v1(24.323,-138.989) ; v1(25.492,-120.981) v1(25.492,-117.933) v1@25.543,-117.983
  other v1: 5.756,-150.876 6.518,-150.876 4.232,-150.851 4.994,-150.851 22.495,-150.826 23.257,-150.826 20.971,-150.8 21.733,-150.8 4.232,-150.241 4.994,-150.241 5.756,-150.241 6.518,-150.241 20.971,-150.191 21.733,-150.191 22.495,-150.191 23.257,-150.191 -9.763,-140.92 -11.567,-140.894 -10.703,-140.894 -11.567,-139.675 -10.678,-139.675 -9.763,-139.675
VDDA: C73.2 C79.2 C90.2 R53.2 U12.9 | length 9.5
  Top Layer w0.254: C73.2@26.914,-26.593 26.914,-26.924 28.628,-28.639 U12.9@28.628,-30.762
  Top Layer w0.508: R53.2@26.876,-21.946 26.876,-26.554 C73.2@26.914,-26.593
VSSA: C73.1 C79.1 C90.1 R74.2 U12.8 | length 9.3
  Top Layer w0.254: C73.1@28.667,-26.593 28.667,-27.788 29.128,-28.25 U12.8@29.128,-30.762
  Top Layer w0.508: C79.1@28.667,-23.521 28.667,-25.07 28.667,-26.593 28.668,-26.594 R74.2@30.534,-26.594
you: R55.1 R110.2 | length 3.4
  Top Layer w0.203: R110.2@18.339,1.054 18.339,2.819 18.644,3.124 18.644,4.193 R55.1@18.583,4.254
zuo: D27.2 R110.1 | length 3.1
  Top Layer w0.203: D27.2@15.512,-1.27 15.576,-1.206 18.04,-1.206 18.339,-0.908 R110.1@18.339,-0.8
pads on no net: JP5.2 JP5.6 U8.3 U8.5 U8.9 U12.2 U12.14 U12.36 U12.38 U12.39 U12.46 U13.1 U13.2 U13.3 zj1.0 zj1.1@5.86,-24.77 zj2.0 zj2.1@15.233,-33.87 zj3.5 zj3.6 zj3.7 zj4.0 zj4.1@15.112,-51.67

## Polygon pours and split planes (outlines as drawn)
GND on Bottom Layer "Mechanical 11-No Net" (solid, remove dead copper, pour order 5): 43.018,-138.176 42.992,-138.202 -7.274,-138.202 -7.3,-138.202 -7.985,-137.516 -8.011,-137.491 -8.011,-121.666 -8.011,-121.641 -8.849,-120.803 -8.9,-120.854 -22.032,-120.854 -22.032,-32.002 -22,-31.97 -8.5,32.83 29.5,32.83 43,-31.97 43,-138.202
GND on Top Layer "Mechanical 11-No Net" (solid, remove dead copper, pour order 6): 43.018,-138.176 42.992,-138.202 -7.274,-138.202 -7.3,-138.202 -7.985,-137.516 -8.011,-137.491 -8.011,-121.666 -8.011,-121.641 -8.849,-120.803 -8.9,-120.854 -22.032,-120.854 -22.032,-32.002 -22,-31.97 -8.5,32.83 29.5,32.83 43,-31.97 43,-138.202

## Keep-outs
Keep-Out Layer:
  lines w0.254: -19.5,-90.17 ccw(c-19.5,-83.67) -19.5,-77.17 ; -19,-90.17 -22,-90.17 -22,-151.17 -10.5,-151.17 -10.5,-163.17 31.5,-163.17 31.5,-151.17 43,-151.17 43,-90.17 40.5,-90.17 cw(c40.5,-83.67) 40.5,-77.17 43,-77.17 43,-59.37 cw(c43,-54.37) 43,-49.37 43,-31.97 34.068,10.93 33.643,10.841 cw(c32.669,15.756) 32.028,20.725 29.5,32.83 -8.5,32.83 -11.022,20.725 cw(c-11.431,15.721) -12.685,10.859 -13.063,10.93 -22,-31.97 -22,-49.37 cw(c-22,-54.37) -22,-59.37 -22,-77.17 -19,-77.17
Mechanical 1:
  lines w0.254: -19.5,-90.14 ccw(c-19.5,-83.64) -19.5,-77.14 ; -19,-90.14 -22,-90.14 -22,-151.14 -10.5,-151.14 -10.5,-163.14 31.5,-163.14 31.5,-151.14 43,-151.14 43,-90.14 40.5,-90.14 cw(c40.5,-83.64) 40.5,-77.14 43,-77.14 43,-59.34 cw(c43,-54.34) 43,-49.34 43,-31.94 34.068,10.96 33.643,10.872 cw(c32.669,15.786) 32.028,20.755 29.5,32.86 ; -19,-77.14 -22,-77.14 -22,-59.34 ccw(c-22,-54.34) -22,-49.34 -22,-31.94 -13.063,10.96 -12.685,10.889 ccw(c-11.431,15.751) -11.022,20.755 -8.5,32.86

## Other copper
Top Layer:
  region net +3.3V: 2.403,-39.828 2.403,-40.869 2.327,-40.945 2.302,-40.92 0.066,-40.92 -0.111,-40.742 -0.111,-37.592 -0.01,-37.491 7.204,-37.491 8.474,-38.761 16.907,-38.761 16.907,-39.675 2.556,-39.675
  region net GND: 31.131,-109.982 31.816,-109.297 32.274,-109.297 32.553,-109.576 32.553,-110.897 32.223,-111.227 31.74,-111.227 31.131,-110.617 29.378,-110.617 29.251,-110.49 29.251,-110.033 29.302,-109.982
  region net +12V: 5.858,-81.585 5.858,-84.455 6.137,-84.735 15.052,-84.735 16.424,-86.106 16.424,-97.968 16.5,-98.044 18.075,-98.044 18.177,-97.943 18.177,-95.631 18.481,-95.327 18.481,-81.865 17.973,-81.357 6.086,-81.357
  region net NetC39_2: 9.287,-95.504 10.43,-95.504 10.734,-95.2 10.734,-91.948 11.319,-91.364 14.189,-91.364 14.265,-91.288 14.265,-88.138 14.138,-88.011 2.987,-88.011 2.835,-88.164 2.835,-91.136 3.089,-91.39 7.864,-91.39 8.677,-92.202 8.677,-93.32 8.22,-93.777 7.407,-93.777 7.28,-93.904 7.28,-94.463 7.407,-94.59 8.372,-94.59
  region net GND: -6.411,-95.555 -6.411,-96.901 -6.08,-97.232 0.193,-97.232 0.6,-96.825 0.6,-95.25 1.235,-94.615 1.641,-94.615 1.794,-94.463 1.794,-93.98 1.692,-93.879 0.625,-93.879 -0.746,-95.25 -6.106,-95.25
  region net +60V: -1.712,-92.152 0.955,-92.152 1.514,-92.71 1.514,-93.168 1.413,-93.269 0.854,-93.269 0.32,-93.803 -1.661,-93.803 -1.864,-93.599 -1.864,-92.304
  region net DC+: -0.137,-59.487 2.86,-59.487 3.622,-60.249 3.622,-76.912 4.308,-77.597 4.308,-82.119 3.978,-82.449 0.854,-82.449 0.6,-82.195 0.6,-78.664 -0.721,-77.343 -0.721,-60.071
  region net NetD7_1: -2.067,-80.239 -2.067,-86.894 -1.966,-86.995 3.851,-86.995 4.384,-86.462 4.384,-84.633 4.13,-84.379 0.828,-84.379 0.244,-83.795 0.244,-80.341 0.016,-80.112 -1.94,-80.112
  region net +60V: -16.85,-91.415 -16.85,-93.93 -16.698,-94.082 -14.945,-94.082 -14.869,-94.006 -14.869,-93.066 -12.786,-90.983 -6.817,-90.983 -4.125,-88.291 -4.125,-80.544 -4.683,-79.985 -6.258,-79.985 -6.563,-80.29 -6.563,-87.046 -7.909,-88.392 -13.827,-88.392
  region net +60V: -14.475,-122.911 -14.475,-143.637 -13.637,-144.476 -2.842,-144.476 -2.486,-144.12 -2.486,-141.986 -2.182,-141.682 2.048,-141.682 2.289,-141.923 2.289,-144.044 2.721,-144.476 13.465,-144.476 13.947,-143.993 13.947,-141.936 14.252,-141.631 18.519,-141.631 18.723,-141.834 18.723,-144.247 18.875,-144.399 30.203,-144.399 30.584,-144.018 30.584,-141.91 30.813,-141.682 35.055,-141.682 35.36,-141.986 35.36,-146.711 35.156,-146.914 -14.983,-146.914 -17.269,-144.628 -17.269,-122.86 -16.812,-122.403 -14.983,-122.403
  region net NetC23_1: -7.376,-157.404 1.692,-157.404 1.692,-157.379 4.461,-154.61 26.279,-154.61 28.794,-152.096 28.794,-150.114 28.311,-149.632 25.06,-149.632 24.704,-149.276 24.704,-147.397 24.831,-147.27 33.95,-147.27 34.102,-147.422 34.102,-149.175 33.747,-149.53 31.08,-149.53 30.623,-149.987 30.623,-153.061 27.575,-156.109 5.35,-156.109 2.556,-158.903 -7.173,-158.903 -7.681,-158.395 -7.681,-157.709
  region net NetC24_1: -7.401,-154.813 -0.416,-154.813 1.971,-152.426 10.836,-152.426 12.436,-150.826 12.436,-149.962 11.928,-149.454 8.525,-149.454 7.966,-148.895 7.966,-147.447 8.245,-147.168 17.186,-147.168 17.567,-147.549 17.567,-149.276 17.237,-149.606 15.789,-149.606 15.306,-150.089 15.306,-151.943 13.274,-153.975 3.546,-153.975 1.057,-156.464 -7.249,-156.464 -7.681,-156.033 -7.681,-155.093
  region net NetC25_1: -8.544,-147.803 -7.935,-147.193 0.778,-147.193 0.93,-147.346 0.93,-149.251 0.574,-149.606 -6.055,-149.606 -6.436,-149.987 -6.436,-152.959 -6.868,-153.391 -8.036,-153.391 -8.544,-152.883
  pour cut-out: 15.205,-87.91 15.205,-84.43 5.451,-84.43 5.451,-87.91
  region net PGND: 3.927,-148.006 3.8,-148.133 3.8,-151.08 3.927,-151.207 6.899,-151.207 7.026,-151.08 7.026,-148.133 6.899,-148.006
  region net PGND: 20.666,-147.955 20.539,-148.082 20.539,-151.029 20.666,-151.156 23.638,-151.156 23.765,-151.029 23.765,-148.108 23.612,-147.955
  region net NetQ5_1: 3.699,-139.929 3.699,-143.358 3.876,-143.536 7.077,-143.536 7.305,-143.307 7.305,-141.682 7.686,-141.301 9.287,-141.301 9.49,-141.504 9.49,-143.688 9.591,-143.79 12.716,-143.79 12.919,-143.587 12.868,-143.536 12.868,-140.107 12.843,-140.107 12.284,-139.548 4.105,-139.548
  region net NetQ4_1: 20.376,-139.929 20.376,-143.358 20.553,-143.536 23.754,-143.536 23.982,-143.307 23.982,-141.682 24.363,-141.301 25.964,-141.301 26.167,-141.504 26.167,-143.688 26.268,-143.79 29.393,-143.79 29.596,-143.587 29.545,-143.536 29.545,-140.107 29.52,-140.107 28.961,-139.548 20.782,-139.548
  region net PGND: -3.49,-143.587 -3.769,-143.866 -6.741,-143.866 -6.741,-141.834 -7.198,-141.377 -11.897,-141.377 -12.1,-141.174 -12.1,-139.472 -11.973,-139.345 -3.794,-139.345 -3.49,-139.65
Bottom Layer:
  region net +60V: -14.382,-121.717 -15.094,-122.428 -16.541,-122.428 -17.405,-121.565 -17.405,-93.422 -16.668,-92.685 -15.119,-92.685 -14.382,-93.422
  region net PGND: -9.382,-121.717 -10.094,-122.428 -11.541,-122.428 -12.405,-121.565 -12.405,-93.422 -11.668,-92.685 -10.119,-92.685 -9.382,-93.422
  region net PGND: -10.271,-91.694 -10.271,-91.72 -10.845,-92.293 -10.845,-93.61 -10.246,-94.209 2.327,-94.209 8.779,-87.757 8.779,-67.031 9.236,-66.574 9.236,-64.821 8.296,-63.881 6.747,-63.881 5.959,-64.669 5.959,-67.158 6.213,-67.412 6.213,-86.818 1.336,-91.694
  region net +3.3V: 15.56,-38.761 15.56,-39.675 25.035,-39.675 26,-38.71 26,-31.496 26.432,-31.065 37.531,-31.065 37.709,-30.887 37.709,-30.353 37.531,-30.176 25.771,-30.176 25.187,-30.76 25.187,-38.202 24.628,-38.761
  region net +12V: 16.449,-96.774 16.449,-98.248 15.586,-99.111 15.586,-116.815 16.221,-117.45 16.221,-123.546 15.84,-123.927 0.244,-123.927 -0.162,-124.333 -0.162,-127.102 0.219,-127.483 1.311,-127.483 1.692,-127.102 1.692,-126.111 2.073,-125.73 15.891,-125.73 16.322,-126.162 16.297,-126.188 16.297,-127.28 16.703,-127.686 17.77,-127.686 17.999,-127.458 17.999,-126.238 18.354,-125.883 32.705,-125.883 32.959,-126.137 32.959,-127.432 33.163,-127.635 34.56,-127.635 34.788,-127.407 34.788,-124.257 34.661,-124.13 18.481,-124.13 18.075,-123.724 18.075,-116.612 17.389,-115.926 17.389,-99.416 18.177,-98.629 18.177,-96.876 18.024,-96.724 16.5,-96.724
  region net PGND: -9.332,-123.14 -9.332,-146.736 -8.062,-148.006 23.663,-148.006 23.765,-148.108 23.765,-151.029 23.714,-151.08 23.028,-151.08 -9.865,-151.08 -9.916,-151.029 -12.151,-148.794 -12.151,-123.063 -11.516,-122.428 -10.043,-122.428

## Silkscreen, mask and mechanical layers (free items; w line width, h text height)
Top Overlay:
  lines w0.254: -10.5,-151.14 31.5,-151.14
  text "BLDC_V0.2-2022-0825" at 5.969,-3.785 h0.61
  text "CLK" at 37.938,-42.85 h0.61
  text "DIO" at 37.989,-46.99 h0.61
  text "V" at 9.007,-129.998 h0.61
  text "U" at -7.528,-130.125 h0.61
  text "W" at 25.568,-130.226 h0.61
  text "W" at -9.373,-153.59 h0.61
  text "V" at -9.547,-155.998 h0.61
  text "U" at -9.373,-158.538 h0.61
  text "电机接口" at -8.225,-161.451 h0.61
Mechanical 1:
  lines w0.254: -8.5,32.86 29.5,32.86
Mechanical 11:
  lines w0.254: -21.981,-120.828 -8.798,-120.828 -7.985,-121.641 -7.985,-137.516 -7.3,-138.202 42.967,-138.202
Mechanical 15:
  region: -5.92,-94.59 -4.556,-94.59 -4.302,-94.844 -4.302,-97.562 -4.455,-97.714 -6.106,-97.689 -6.207,-97.587 -6.207,-94.877

## Text inside footprints (layer, text, board x,y; h text height)
JP5: Top Overlay "8" at 16.424,-108.052 h0.61; Top Overlay "7" at 16.297,-114.427 h0.61; Top Overlay "2" at 8.677,-107.9 h0.61; Top Overlay "1" at 8.601,-114.554 h0.61
SW1: Top Overlay "2" at 3.97,-112.56 h0.61 r90; Top Overlay "1" at 1.47,-112.56 h0.61 r90